# Altium PCB Roa_Circuit_3st_V1.PcbDoc (part 1 of 2)
Units mm, origin at the board's own origin, x right, y up, seen from the top; angles counter-clockwise.
Board outline 220 x 135 mm, 4 copper layers (Top Layer, Layer 1, Layer 2, Bottom Layer), stack 0.672 mm thick; 226 components, 136 nets, 765 pads, 0 vias.
Unrouted connection lines stored in the file: 513.
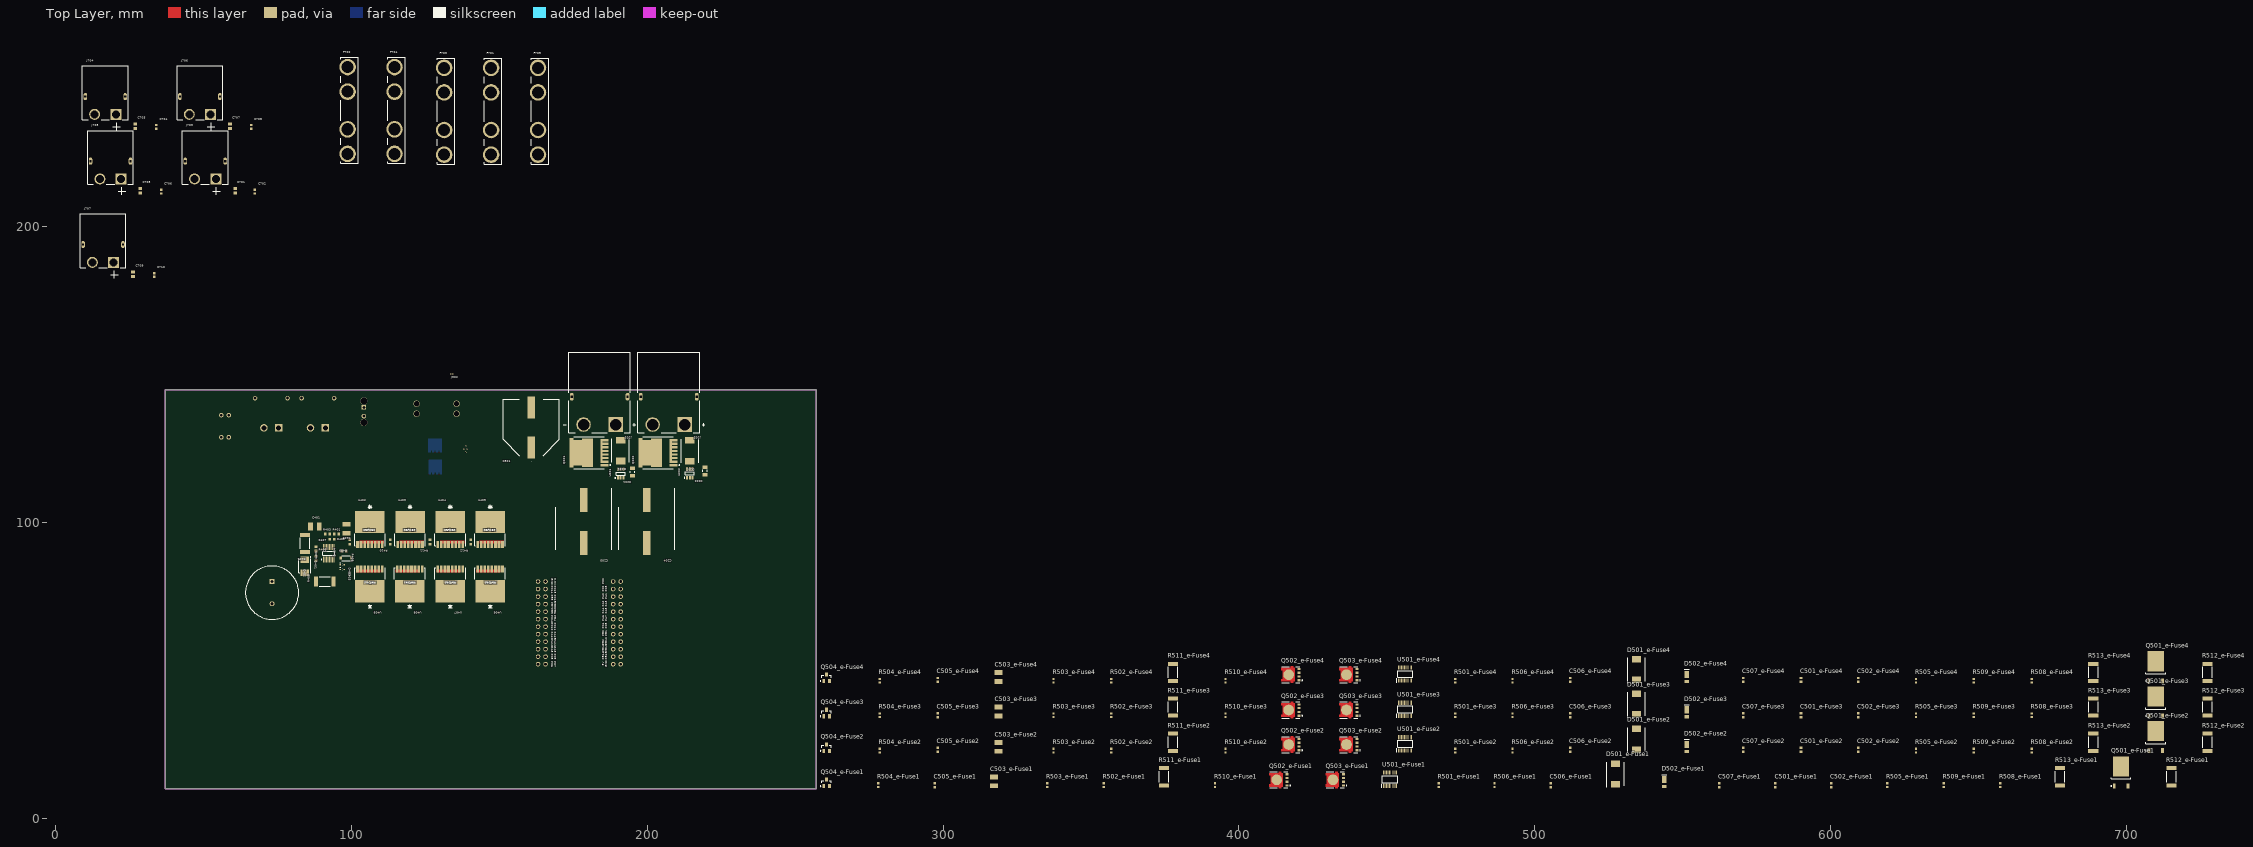
[diagram p0: Top Layer view]
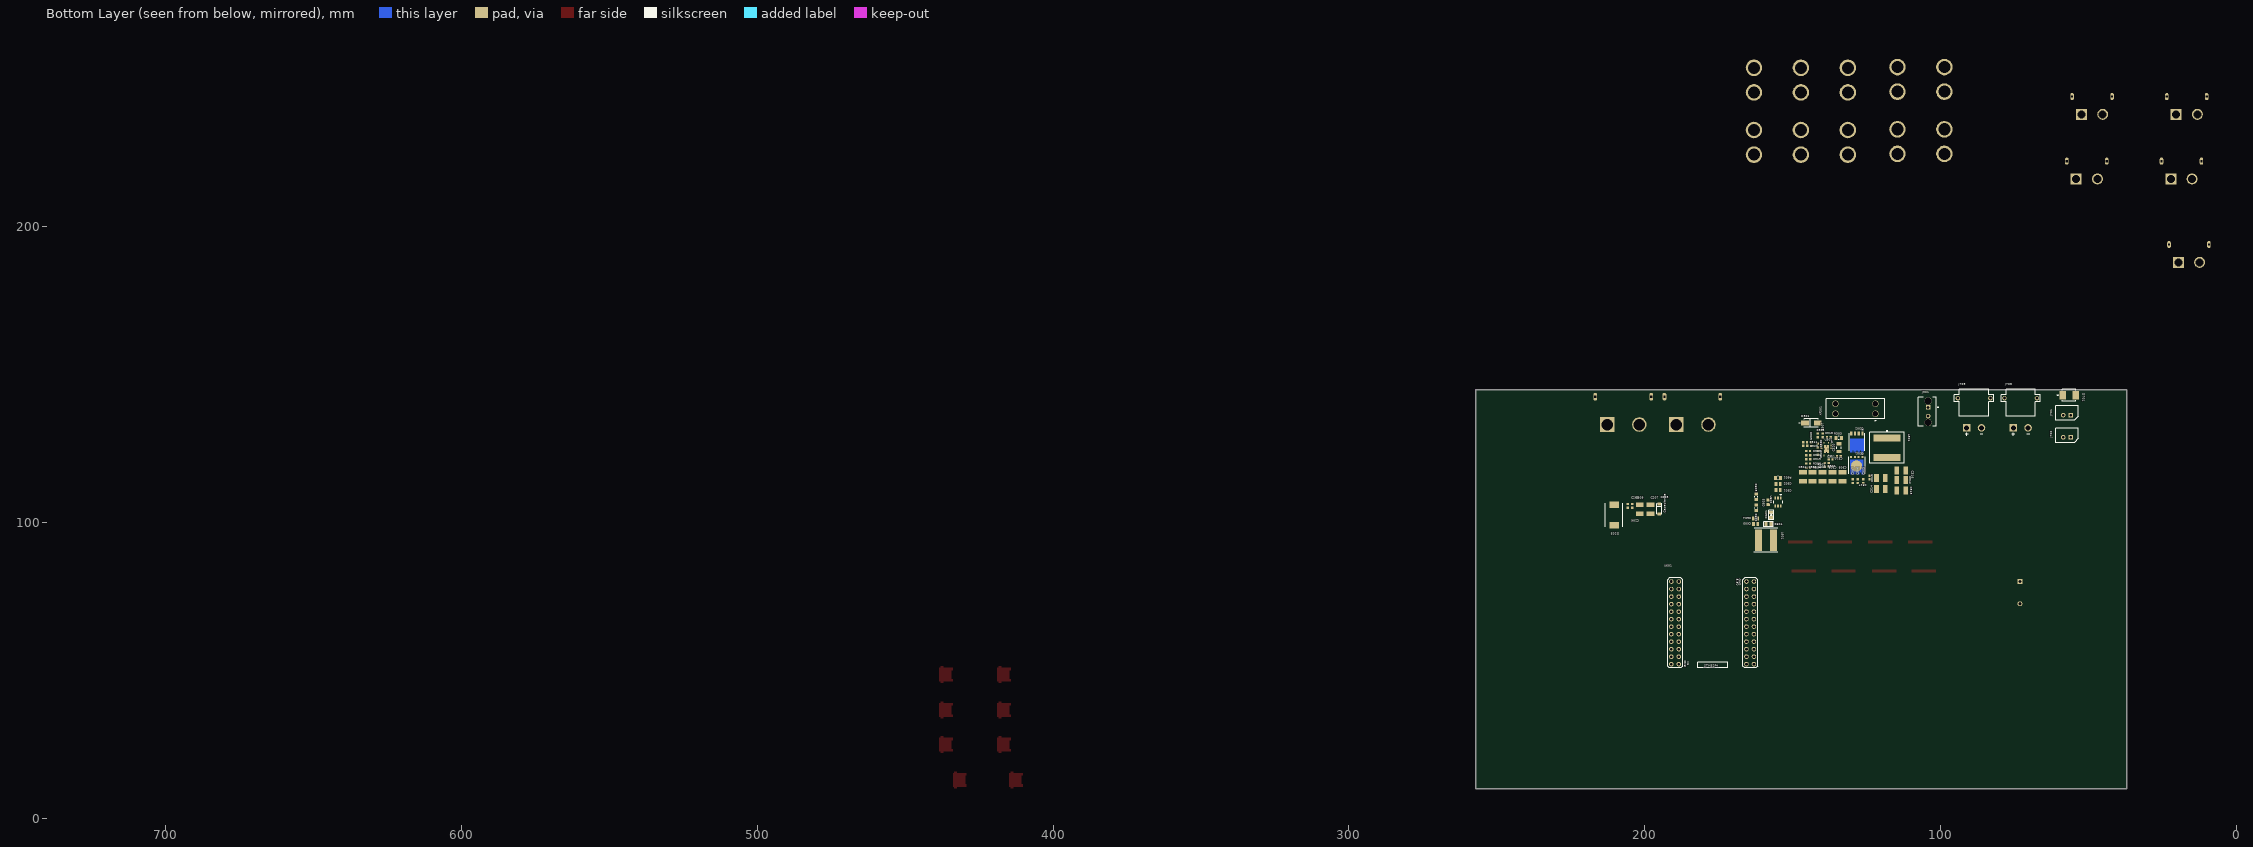
[diagram p1: Bottom Layer view, seen from below]

## Layer stack, top to bottom
Top Solder: solder mask 0.0102, Solder Resist, Dk 3.5
Top Layer: signal copper 0.07
Dielectric 2: prepreg 0.0711, PP-006, Dk 4.1
Layer 1: signal copper 0.035
Dielectric 1: dielectric 0.32, FR-4, Dk 4.8
Layer 2: signal copper 0.035
Dielectric 3: prepreg 0.0711, PP-006, Dk 4.1
Bottom Layer: signal copper 0.07
Bottom Solder: solder mask 0.0102, Solder Resist, Dk 3.5

## Board outline
37.084,9.906 37.084,144.906 257.084,144.906 257.084,9.906

## Design rules (kind name [scope] priority, off if disabled: settings)
Clearance "Stitching LEG_L" [IsStitchingVia and InNet('LEG_L') vs (IsVia and (Not IsStitchingVia)) Or IsPad] p1: gap=0.254 ignorepadtopadclearanceinfootprint=TRUE
Clearance "Stitching I_SENSE_N" [IsStitchingVia and InNet('I_SENSE_N') vs (IsVia and (Not IsStitchingVia)) Or IsPad] p2: gap=0.127 ignorepadtopadclearanceinfootprint=FALSE
Clearance "Stitching V_IN" [IsStitchingVia and InNet('V_IN') vs (IsVia and (Not IsStitchingVia)) Or IsPad] p3: gap=0.127 ignorepadtopadclearanceinfootprint=FALSE
Clearance Clearance_1 [InNet('I_SENSE_N') vs InNet('I_SENSE_P')] p4: gap=0.152 ignorepadtopadclearanceinfootprint=TRUE
Clearance [All] p5: gap=0.254 ignorepadtopadclearanceinfootprint=TRUE
DiffPairsRouting [All] p1: maxlimit=0.254 minlimit=0.152 mostfreqgap=0.178 toplayer_minwidth=0.203 toplayer_maxwidth=0.381 toplayer_prefwidth=0.254 midlayer1_minwidth=0.203 midlayer1_maxwidth=0.381 midlayer1_prefwidth=0.254 midlayer2_minwidth=0.203 midlayer2_maxwidth=0.381 midlayer2_prefwidth=0.254 bottomlayer_minwidth=0.203 bottomlayer_maxwidth=0.381 bottomlayer_prefwidth=0.254 maxuncoupledlength=12.7
Height [All] p1: minheight=0 maxheight=50.8 prefheight=12.7
HoleSize [All] p1: absolutevalues=TRUE maxlimit=12.7 minlimit=0.025 maxpercent=80.000 minpercent=20.000
PlaneConnect [All] p1: planeconnectstyle=Direct reliefexpansion=0.508 reliefentries=4 reliefconductorwidth=0.254 reliefairgap=0.254
PolygonConnect [All] p1: connectstyle=Direct reliefconductorwidth=0.254 reliefentries=4 polygonreliefangle="90 Angle" airgapwidth=0.254
RoutingVias [All] p1: holewidth=0.711 width=1.27 viastyle="Through Hole" minholewidth=0.711 minwidth=1.27 maxholewidth=0.711 maxwidth=1.27
SolderMaskExpansion [All] p1: expansion=0.102 istentingtop=FALSE
SupplyNets "Schematic Supply Nets_5" [InNet('3.3V')] p1: voltage=0.000
SupplyNets "Schematic Supply Nets_4" [InNet('5V')] p2: voltage=0.000
SupplyNets "Schematic Supply Nets_3" [InNet('OUT')] p3: voltage=0.000
SupplyNets "Schematic Supply Nets_2" [InNet('48V')] p4: voltage=0.000
SupplyNets "Schematic Supply Nets_1" [InNet('AGND')] p5: voltage=0.000
SupplyNets "Schematic Supply Nets" [InNet('GND')] p6: voltage=0.000
Width Width_1 [(InNet('5V') OR InNet('COIL_EN') OR InNet('GND') OR InNet('NetR3_1') OR InNet('I_SENSE_N') OR InNet('I_SENSE_P')or InNet('VCC'))] p1: maxlimit=2.032 minlimit=0.152 preferedwidth=1.27 midlayer1_minwidth=0.254 midlayer1_maxwidth=0.254 midlayer1_prefwidth=0.254 midlayer2_minwidth=0.254 midlayer2_maxwidth=0.254 midlayer2_prefwidth=0.254 bottomlayer_minwidth=0.254 minimp=50.000000 maximp=50.000000 favimp=50.000000
Width [All] p2: maxlimit=0.762 minlimit=0.152 preferedwidth=0.254 midlayer1_minwidth=0.254 midlayer1_maxwidth=0.254 midlayer2_minwidth=0.254 midlayer2_maxwidth=0.254 bottomlayer_minwidth=0.254 bottomlayer_maxwidth=0.254 minimp=50.000000 maximp=50.000000 favimp=50.000000
26 further rules are at their usual default settings.

## Classes and differential pairs
component class STM: C601 C602 C603 C604 C605 D601 L601 R601 R602 R603 R604 U601 U602
component class PROTECT: C401 C402 C403 D401 D402 D403 D404 R401 R402 R403 R404 R405 R406 R407 R408 R409 R410 R411 R412 U401 U402 U403 U404 U405 U406 U407 U408 U409
component class OUTPUT: C701 C702 C703 C704 C705 C706 C707 C708 C709 C710 D701 F701 F702 F703 F704 F705 J701 J702 J703 J704 J705 J706 J707 J708 J709
component class INPUT: C201 C202 C203 C204 C205 C206 C207 C208 C209 D201 D202 D203 J201 J202 Q201 Q202 U201 U202
component class "48v to 12V": C301 C302 C303 C304 C305 C306 C307 C308 C309 C310 C311 C312 C313 C314 C315 C316 C317 C318 C319 C320 C321 C322 C323 D301 J301 J302 L301 Q301 Q302 R301 R302 R303 R304 R305 R306 R307 R308 R309 R310 R311 U301 XF301
channel class e-Fuse: e-Fuse1 e-Fuse2 e-Fuse3 e-Fuse4
net class INP_G[1..4]: INP_G1 INP_G2 INP_G3 INP_G4
net class INP[1..4]: INP1 INP2 INP3 INP4
net class FLT_T[1..4]: FLT_T1 FLT_T2 FLT_T3 FLT_T4
net class FLT_I[1..4]: FLT_I1 FLT_I2 FLT_I3 FLT_I4
net class EFUSE_OUT[1..4]: EFUSE_OUT1
component class e-Fuse4: C501_e-Fuse4 C502_e-Fuse4 C503_e-Fuse4 C505_e-Fuse4 C506_e-Fuse4 C507_e-Fuse4 D501_e-Fuse4 D502_e-Fuse4 Q501_e-Fuse4 Q502_e-Fuse4 Q503_e-Fuse4 Q504_e-Fuse4 R501_e-Fuse4 R502_e-Fuse4 R503_e-Fuse4 R504_e-Fuse4 R505_e-Fuse4 R506_e-Fuse4 R508_e-Fuse4 R509_e-Fuse4 R510_e-Fuse4 R511_e-Fuse4 R512_e-Fuse4 R513_e-Fuse4 U501_e-Fuse4
component class e-Fuse3: C501_e-Fuse3 C502_e-Fuse3 C503_e-Fuse3 C505_e-Fuse3 C506_e-Fuse3 C507_e-Fuse3 D501_e-Fuse3 D502_e-Fuse3 Q501_e-Fuse3 Q502_e-Fuse3 Q503_e-Fuse3 Q504_e-Fuse3 R501_e-Fuse3 R502_e-Fuse3 R503_e-Fuse3 R504_e-Fuse3 R505_e-Fuse3 R506_e-Fuse3 R508_e-Fuse3 R509_e-Fuse3 R510_e-Fuse3 R511_e-Fuse3 R512_e-Fuse3 R513_e-Fuse3 U501_e-Fuse3
component class e-Fuse2: C501_e-Fuse2 C502_e-Fuse2 C503_e-Fuse2 C505_e-Fuse2 C506_e-Fuse2 C507_e-Fuse2 D501_e-Fuse2 D502_e-Fuse2 Q501_e-Fuse2 Q502_e-Fuse2 Q503_e-Fuse2 Q504_e-Fuse2 R501_e-Fuse2 R502_e-Fuse2 R503_e-Fuse2 R504_e-Fuse2 R505_e-Fuse2 R506_e-Fuse2 R508_e-Fuse2 R509_e-Fuse2 R510_e-Fuse2 R511_e-Fuse2 R512_e-Fuse2 R513_e-Fuse2 U501_e-Fuse2
component class e-Fuse1: C501_e-Fuse1 C502_e-Fuse1 C503_e-Fuse1 C505_e-Fuse1 C506_e-Fuse1 C507_e-Fuse1 D501_e-Fuse1 D502_e-Fuse1 Q501_e-Fuse1 Q502_e-Fuse1 Q503_e-Fuse1 Q504_e-Fuse1 R501_e-Fuse1 R502_e-Fuse1 R503_e-Fuse1 R504_e-Fuse1 R505_e-Fuse1 R506_e-Fuse1 R508_e-Fuse1 R509_e-Fuse1 R510_e-Fuse1 R511_e-Fuse1 R512_e-Fuse1 R513_e-Fuse1 U501_e-Fuse1

## Components (designator, comment, footprint, x,y, rotation, side; value= is the part's Value field where it differs from the comment)
C201 "non-polar_Capacitor" 1206 195.072,117.028 r270 top
C202 "non-polar_Capacitor" 1206 219.456,117.419 r270 top
C203 "Capacitor_tantal" SMD_Capacitor_tantal 195.072,104.544 r90 bottom
C204 "470µF" CAPAE1900X2200N 199.846,100.336 r270 top
C205 "470µF" CAPAE1900X2200N 178.51,100.336 r270 top
C206 "non-polar_Capacitor" 1210 201.684,104.445 r270 bottom
C207 "non-polar_Capacitor" 1210 198.12,104.469 r90 bottom
C208 "non-polar_Capacitor" 0603#1 205.74,105.595 r90 bottom
C209 "non-polar_Capacitor" 0603#1 204.216,105.595 r90 bottom
C301 "220µF" EEEFK0J103SM 160.782,132.08 r90 top
C302 "non-polar_Capacitor" 1210 143.248,115.424 r270 bottom
C303 "non-polar_Capacitor" 0603#1 126.067,113.961 r270 bottom
C304 "non-polar_Capacitor" 1210 146.55,115.424 r270 bottom
C305 "non-polar_Capacitor" 1210 133.106,115.424 r270 bottom
C306 "non-polar_Capacitor" 0603#1 127.972,113.962 r270 bottom
C307 "non-polar_Capacitor" 0603#1 129.75,113.962 r270 bottom
C308 "non-polar_Capacitor" 1210 136.456,115.424 r270 bottom
C309 "non-polar_Capacitor" 1210 139.954,115.424 r270 bottom
C310 "non-polar_Capacitor" 0603#1 137.19,121.426 r180 bottom
C311 "non-polar_Capacitor" 0603#1 134.351,122.316 r180 bottom
C312 "non-polar_Capacitor" 1210 113.284,114.3 r180 bottom
C313 "non-polar_Capacitor" 1210 113.284,110.744 r180 bottom
C314 "non-polar_Capacitor" 1210 120.142,111.252 r0 bottom
C315 "non-polar_Capacitor" 1210 120.142,114.938 r0 bottom
C316 "non-polar_Capacitor" 1210 113.284,117.602 r180 bottom
C317 "non-polar_Capacitor" 0603#1 123.952,115.184 r270 bottom
C318 "non-polar_Capacitor" 0603#1 137.74,128.763 r180 bottom
C319 "non-polar_Capacitor" 0603#1 144.741,121.313 r0 bottom
C320 "non-polar_Capacitor" 1206 134.3,125.253 r270 bottom
C321 "non-polar_Capacitor" 0603#1 144.741,122.758 r0 bottom
C322 "non-polar_Capacitor" 0603#1 141.512,123.49 r270 bottom
C323 "non-polar_Capacitor" 0603#1 145.761,125.865 r0 bottom
C401 "non-polar_Capacitor" 1210 87.63,98.552 r0 top
C402 "B41858C9477M000" CAPPRD750W90D1800H3700 73.152,80.01 r270 top
C403 "non-polar_Capacitor" 1210 98.388,97.834 r270 top
C501_e-Fuse1 "CIN" 0603#1 581.406,11.176 r90 top (schematic designator C501)
C501_e-Fuse2 "CIN" 0603#1 590.042,23.114 r90 top (schematic designator C501)
C501_e-Fuse3 "CIN" 0603#1 590.042,34.798 r90 top (schematic designator C501)
C501_e-Fuse4 "CIN" 0603#1 590.042,46.736 r90 top (schematic designator C501)
C502_e-Fuse1 "CIN" 0603#1 600.202,11.176 r90 top (schematic designator C502)
C502_e-Fuse2 "CIN" 0603#1 609.346,23.114 r90 top (schematic designator C502)
C502_e-Fuse3 "CIN" 0603#1 609.346,34.798 r90 top (schematic designator C502)
C502_e-Fuse4 "CIN" 0603#1 609.346,46.736 r90 top (schematic designator C502)
C503_e-Fuse1 "C(TMR)" 1210 317.246,12.446 r90 top (schematic designator C503)
C503_e-Fuse2 "C(TMR)" 1210 318.77,24.13 r90 top (schematic designator C503)
C503_e-Fuse3 "C(TMR)" 1210 318.77,36.068 r90 top (schematic designator C503)
C503_e-Fuse4 "C(TMR)" 1210 318.77,47.752 r90 top (schematic designator C503)
C505_e-Fuse1 "CBST" 0603#1 297.18,11.176 r90 top (schematic designator C505)
C505_e-Fuse2 "CBST" 0603#1 298.196,23.114 r90 top (schematic designator C505)
C505_e-Fuse3 "CBST" 0603#1 298.196,34.798 r90 top (schematic designator C505)
C505_e-Fuse4 "CBST" 0603#1 298.196,46.736 r90 top (schematic designator C505)
C506_e-Fuse1 "C(SCP)" 0603#1 505.46,11.176 r90 top (schematic designator C506)
C506_e-Fuse2 "C(SCP)" 0603#1 512.064,23.114 r90 top (schematic designator C506)
C506_e-Fuse3 "C(SCP)" 0603#1 512.064,34.798 r90 top (schematic designator C506)
C506_e-Fuse4 "C(SCP)" 0603#1 512.064,46.736 r90 top (schematic designator C506)
C507_e-Fuse1 "C(TMR)" 0603#1 562.356,11.176 r90 top (schematic designator C507)
C507_e-Fuse2 "C(TMR)" 0603#1 570.484,23.114 r90 top (schematic designator C507)
C507_e-Fuse3 "C(TMR)" 0603#1 570.484,34.798 r90 top (schematic designator C507)
C507_e-Fuse4 "C(TMR)" 0603#1 570.484,46.736 r90 top (schematic designator C507)
C601 "non-polar_Capacitor" 0805#1 154.928,110.99 r0 bottom
C602 "non-polar_Capacitor" 0805#1 154.928,113.022 r0 bottom
C603 "non-polar_Capacitor" 0805#1 158.242,106.797 r270 bottom
C604 "non-polar_Capacitor" 0805#1 162.538,101.338 r180 bottom
C605 "non-polar_Capacitor" 0805#1 162.538,99.433 r180 bottom
C701 "non-polar_Capacitor" 0805#1 60.706,212.09 r90 top
C702 "non-polar_Capacitor" 0603#1 67.31,211.836 r90 top
C703 "non-polar_Capacitor" 0805#1 26.924,233.934 r90 top
C704 "non-polar_Capacitor" 0603#1 34.036,233.68 r90 top
C705 "non-polar_Capacitor" 0805#1 28.575,212.09 r90 top
C706 "non-polar_Capacitor" 0603#1 35.687,211.836 r90 top
C707 "non-polar_Capacitor" 0805#1 58.928,233.934 r90 top
C708 "non-polar_Capacitor" 0603#1 66.04,233.68 r90 top
C709 "non-polar_Capacitor" 0805#1 26.162,183.896 r90 top
C710 "non-polar_Capacitor" 0603#1 33.274,183.642 r90 top
D201 "SMDJ58A" DIONM7959X262N 191.008,124.262 r270 top
D202 "SMDJ58A" DIONM7959X262N 214.376,124.206 r270 top
D203 "SMDJ58A" DIONM7959X262N 210.312,102.545 r270 bottom
D301 "SS14" FP-403AE-MFG 143.647,133.604 r0 bottom
D401 "1SMB5945BT3G" ONSC-SMB-2-403A-03_H_V 84.22,85.218 r270 top
D402 "MM5Z15VT1G" ONSC-SOD-523-2-502-01_V 96.874,85.693 r0 top
D403 "MM5Z15VT1G" ONSC-SOD-523-2-502-01_V 96.874,84.118 r0 top
D404 "SMD110PL-TP" SODFL3616X135N 98.134,87.928 r180 top
D501_e-Fuse1 "SMLJ58AQ-TP" DIOM7959X282N 527.304,14.986 r90 top (schematic designator D501)
D501_e-Fuse2 "SMLJ58AQ-TP" DIOM7959X282N 534.416,26.67 r90 top (schematic designator D501)
D501_e-Fuse3 "SMLJ58AQ-TP" DIOM7959X282N 534.416,38.608 r90 top (schematic designator D501)
D501_e-Fuse4 "SMLJ58AQ-TP" DIOM7959X282N 534.416,50.292 r90 top (schematic designator D501)
D502_e-Fuse1 "DFLS1100-7" DIOD-POWERDI123-2_V 543.814,12.192 r90 top (schematic designator D502)
D502_e-Fuse2 "DFLS1100-7" DIOD-POWERDI123-2_V 551.434,24.13 r90 top (schematic designator D502)
D502_e-Fuse3 "DFLS1100-7" DIOD-POWERDI123-2_V 551.434,35.814 r90 top (schematic designator D502)
D502_e-Fuse4 "DFLS1100-7" DIOD-POWERDI123-2_V 551.434,47.752 r90 top (schematic designator D502)
D601 "LED" SMD_LED 157.204,102.492 r270 bottom
D701 "cc" FP-403A-03-MFG 56.522,143.002 r180 bottom
F701 "3555-2" FUSE_3555-2 147.193,239.014 r90 top
F702 "3555-2" FUSE_3555-2 98.679,239.268 r90 top
F703 "3555-2" FUSE_3555-2 131.318,239.014 r90 top
F704 "3555-2" FUSE_3555-2 114.554,239.268 r90 top
F705 "3555-2" FUSE_3555-2 163.068,239.014 r90 top
J201 "XT90PW-M" AMASS_XT90PW-M 183.896,142.494 r180 top
J202 "XT90PW-M" AMASS_XT90PW-M 207.264,142.494 r180 top
J301 "Micro-Fit-molex_43650-0220" FP-43650-0220-MFG 104.516,137.414 r90 bottom
J302 "2way" 2way_LP 133.858,150.114 r0 top net-tie
J701 "Molex_2Pin" MOLEX_2PIN 58.515,136.271 r0 bottom
J702 "Molex_2Pin" MOLEX_2PIN 58.515,128.778 r0 bottom
J703 "XT60PW-M" XT60PW-M 50.546,222.123 r0 top
J704 "XT60PW-M" XT60PW-M 16.764,243.967 r0 top
J705 "XT60PW-M" XT60PW-M 18.542,222.123 r0 top
J706 "XT60PW-M" XT60PW-M 48.768,243.967 r0 top
J707 "XT60PW-M" XT60PW-M 16.002,193.929 r0 top
J708 "XT30PW-M" AMASS_XT30PW-M 72.898,141.986 r180 bottom
J709 "XT30PW-M" AMASS_XT30PW-M 88.646,141.986 r180 bottom
L301 "XAL1010" FP-XAL1010-MFG 118.11,125.222 r270 bottom
L601 "inductor_SRP7030CA" FP-SRP7030CA-MFG 159.004,93.972 r270 bottom
Q201 "Trans_Infineon_IPT015N10N5_eec" Infineon_IPT015N10N5_0 180.278,123.562 r90 top
Q202 "Trans_Infineon_IPT015N10N5_eec" Infineon_IPT015N10N5_0 203.646,123.562 r90 top
Q301 "CSD19534Q5A" FP-DQJ0008A-MFG 128.315,119.38 r270 bottom
Q302 "CSD19532Q5B" FP-DNK0008A-MFG 128.27,127.22 r270 bottom
Q501_e-Fuse1 "IPD068N10N3 G" INF-PG-TO252-3-11_A_L 698.246,15.494 r90 top (schematic designator Q501)
Q501_e-Fuse2 "IPD068N10N3 G" INF-PG-TO252-3-11_A_L 709.93,27.432 r90 top (schematic designator Q501)
Q501_e-Fuse3 "IPD068N10N3 G" INF-PG-TO252-3-11_A_L 709.93,39.116 r90 top (schematic designator Q501)
Q501_e-Fuse4 "IPD068N10N3 G" INF-PG-TO252-3-11_A_L 709.93,51.054 r90 top (schematic designator Q501)
Q502_e-Fuse1 "NVMFS015N10MCLT1G" FP-488AA-MFG 413.512,12.954 r90 top (schematic designator Q502)
Q502_e-Fuse2 "NVMFS015N10MCLT1G" FP-488AA-MFG 417.576,24.892 r90 top (schematic designator Q502)
Q502_e-Fuse3 "NVMFS015N10MCLT1G" FP-488AA-MFG 417.576,36.576 r90 top (schematic designator Q502)
Q502_e-Fuse4 "NVMFS015N10MCLT1G" FP-488AA-MFG 417.576,48.514 r90 top (schematic designator Q502)
Q503_e-Fuse1 "NVMFS015N10MCLT1G" FP-488AA-MFG 432.562,12.954 r90 top (schematic designator Q503)
Q503_e-Fuse2 "NVMFS015N10MCLT1G" FP-488AA-MFG 437.134,24.892 r90 top (schematic designator Q503)
Q503_e-Fuse3 "NVMFS015N10MCLT1G" FP-488AA-MFG 437.134,36.576 r90 top (schematic designator Q503)
Q503_e-Fuse4 "NVMFS015N10MCLT1G" FP-488AA-MFG 437.134,48.514 r90 top (schematic designator Q503)
Q504_e-Fuse1 "MMBT3904" FAIR-SOT23-3_V 260.604,11.938 r90 top (schematic designator Q504)
Q504_e-Fuse2 "MMBT3904" FAIR-SOT23-3_V 260.604,23.876 r90 top (schematic designator Q504)
Q504_e-Fuse3 "MMBT3904" FAIR-SOT23-3_V 260.604,35.56 r90 top (schematic designator Q504)
Q504_e-Fuse4 "MMBT3904" FAIR-SOT23-3_V 260.604,47.498 r90 top (schematic designator Q504)
R301 "Resistor" 0603#2 137.84,119.452 r270 bottom
R302 "Resistor" 0603#2 139.14,119.452 r270 bottom
R303 "Resistor" 0805#2 134.4,128.538 r0 bottom
R304 "Resistor" 0603#2 144.741,118.458 r0 bottom
R305 "Resistor" 0603#2 141.512,129.388 r270 bottom
R306 "Resistor" 0603#2 144.741,119.903 r0 bottom
R307 "Resistor" 0603#2 139.861,129.388 r90 bottom
R308 "Resistor" 0603#2 144.741,124.152 r180 bottom
R309 "Resistor" 0603#2 143.714,126.49 r270 bottom
R310 "Resistor" 0603#2 141.512,125.998 r90 bottom
R311 "Resistor" 0603#2 145.761,127.115 r180 bottom
R401 "464kΩ" SMD_0603 94.902,96.056 r180 top
R402 "6.65kΩ" SMD_0603 93.402,94.278 r180 top
R403 "10kΩ" SMD_0603 91.902,96.056 r180 top
R404 "2.2kΩ" SMD_2512 84.22,92.893 r270 top
R405 "0.5mΩ" SMD_2512 90.932,80.01 r180 top
R406 "442kΩ" SMD_0603 87.974,87.782 r90 top
R407 "10kΩ" SMD_0603 87.974,91.076 r90 top
R408 "470Ω" SMD_0603 97.534,90.315 r0 top
R409 "10Ω" SMD_0603 99.404,93.339 r270 top
R410 "10Ω" SMD_0603 113.12,93.339 r270 top
R411 "10Ω" SMD_0603 126.582,93.338 r270 top
R412 "10Ω" SMD_0603 140.298,93.339 r270 top
R501_e-Fuse1 "R1" 0603#2 467.614,11.176 r90 top (schematic designator R501)
R501_e-Fuse2 "R1" 0603#2 473.202,22.86 r90 top (schematic designator R501)
R501_e-Fuse3 "R1" 0603#2 473.202,34.798 r90 top (schematic designator R501)
R501_e-Fuse4 "R1" 0603#2 473.202,46.482 r90 top (schematic designator R501)
R502_e-Fuse1 "R2" 0603#2 354.33,11.176 r90 top (schematic designator R502)
R502_e-Fuse2 "R2" 0603#2 356.87,22.86 r90 top (schematic designator R502)
R502_e-Fuse3 "R2" 0603#2 356.87,34.798 r90 top (schematic designator R502)
R502_e-Fuse4 "R2" 0603#2 356.87,46.482 r90 top (schematic designator R502)
R503_e-Fuse1 "R(IMON)" 0603#2 335.28,11.176 r90 top (schematic designator R503)
R503_e-Fuse2 "R(IMON)" 0603#2 337.312,22.86 r90 top (schematic designator R503)
R503_e-Fuse3 "R(IMON)" 0603#2 337.312,34.798 r90 top (schematic designator R503)
R503_e-Fuse4 "R(IMON)" 0603#2 337.312,46.482 r90 top (schematic designator R503)
R504_e-Fuse1 "R(IWRN)" 0603#2 278.13,11.176 r90 top (schematic designator R504)
R504_e-Fuse2 "R(IWRN)" 0603#2 278.638,22.86 r90 top (schematic designator R504)
R504_e-Fuse3 "R(IWRN)" 0603#2 278.638,34.798 r90 top (schematic designator R504)
R504_e-Fuse4 "R(IWRN)" 0603#2 278.638,46.482 r90 top (schematic designator R504)
R505_e-Fuse1 "R1" 0603#2 619.252,11.176 r90 top (schematic designator R505)
R505_e-Fuse2 "R1" 0603#2 628.904,22.86 r90 top (schematic designator R505)
R505_e-Fuse3 "R1" 0603#2 628.904,34.798 r90 top (schematic designator R505)
R505_e-Fuse4 "R1" 0603#2 628.904,46.482 r90 top (schematic designator R505)
R506_e-Fuse1 "R1" 0603#2 486.41,11.176 r90 top (schematic designator R506)
R506_e-Fuse2 "R1" 0603#2 492.506,22.86 r90 top (schematic designator R506)
R506_e-Fuse3 "R1" 0603#2 492.506,34.798 r90 top (schematic designator R506)
R506_e-Fuse4 "R1" 0603#2 492.506,46.482 r90 top (schematic designator R506)
R508_e-Fuse1 "R(ISCP)" 0603#2 657.352,11.176 r90 top (schematic designator R508)
R508_e-Fuse2 "R(ISCP)" 0603#2 668.02,22.86 r90 top (schematic designator R508)
R508_e-Fuse3 "R(ISCP)" 0603#2 668.02,34.798 r90 top (schematic designator R508)
R508_e-Fuse4 "R(ISCP)" 0603#2 668.02,46.482 r90 top (schematic designator R508)
R509_e-Fuse1 "R(ISCP)" 0603#2 638.302,11.176 r90 top (schematic designator R509)
R509_e-Fuse2 "R(ISCP)" 0603#2 648.462,22.86 r90 top (schematic designator R509)
R509_e-Fuse3 "R(ISCP)" 0603#2 648.462,34.798 r90 top (schematic designator R509)
R509_e-Fuse4 "R(ISCP)" 0603#2 648.462,46.482 r90 top (schematic designator R509)
R510_e-Fuse1 "R(SET)" 0603#2 391.922,11.176 r90 top (schematic designator R510)
R510_e-Fuse2 "R(SET)" 0603#2 395.478,22.86 r90 top (schematic designator R510)
R510_e-Fuse3 "R(SET)" 0603#2 395.478,34.798 r90 top (schematic designator R510)
R510_e-Fuse4 "R(SET)" 0603#2 395.478,46.482 r90 top (schematic designator R510)
R511_e-Fuse1 "1.25mΩ" SMD_2512 374.65,13.97 r90 top (schematic designator R511)
R511_e-Fuse2 "1.25mΩ" SMD_2512 377.698,25.654 r90 top (schematic designator R511)
R511_e-Fuse3 "1.25mΩ" SMD_2512 377.698,37.592 r90 top (schematic designator R511)
R511_e-Fuse4 "1.25mΩ" SMD_2512 377.698,49.276 r90 top (schematic designator R511)
R512_e-Fuse1 "220Ω" SMD_2512 715.264,13.97 r90 top (schematic designator R512)
R512_e-Fuse2 "220Ω" SMD_2512 727.456,25.654 r90 top (schematic designator R512)
R512_e-Fuse3 "220Ω" SMD_2512 727.456,37.592 r90 top (schematic designator R512)
R512_e-Fuse4 "220Ω" SMD_2512 727.456,49.276 r90 top (schematic designator R512)
R513_e-Fuse1 "220Ω" SMD_2512 677.672,13.97 r90 top (schematic designator R513)
R513_e-Fuse2 "220Ω" SMD_2512 688.848,25.654 r90 top (schematic designator R513)
R513_e-Fuse3 "220Ω" SMD_2512 688.848,37.592 r90 top (schematic designator R513)
R513_e-Fuse4 "220Ω" SMD_2512 688.848,49.276 r90 top (schematic designator R513)
R601 "Resistor" 0805#2 154.928,115.054 r180 bottom
R602 "Resistor" 0805#2 162.298,104.917 r270 bottom
R603 "Resistor" 0805#2 162.298,108.66 r270 bottom
R604 "Resistor" SMD_Resistor 158.104,99.433 r180 bottom
U201 "FET_LM5050MK-1/NOPB" DDC0006A_M 191.008,116.528 r90 top
U202 "FET_LM5050MK-1/NOPB" DDC0006A_M 214.376,116.586 r90 top
U301 "LM5146QRGYTQ1" RGY0020B 138.59,124.798 r0 bottom
U401 "LTC4364IMS-2#PBF" LT-MS-16_M 92.328,89.565 r90 top
U402 "IPT015N10N5ATMA1" PG-HSOF-8-1_INF 106.233,97.58 r0 top
U403 "IPT015N10N5ATMA1" PG-HSOF-8-1_INF 119.822,97.58 r0 top
U404 "IPT015N10N5ATMA1" PG-HSOF-8-1_INF 133.411,97.58 r0 top
U405 "IPT015N10N5ATMA1" PG-HSOF-8-1_INF 146.873,97.58 r0 top
U406 "IPT015N10N5ATMA1" PG-HSOF-8-1_INF 146.873,79.292 r180 top
U407 "IPT015N10N5ATMA1" PG-HSOF-8-1_INF 133.411,79.292 r180 top
U408 "IPT015N10N5ATMA1" PG-HSOF-8-1_INF 119.695,79.292 r180 top
U409 "IPT015N10N5ATMA1" PG-HSOF-8-1_INF 106.233,79.292 r180 top
U501_e-Fuse1 "TPS48111-Q1" SOP50P490X110-20N 451.104,13.208 r90 top (schematic designator U501)
U501_e-Fuse2 "TPS48111-Q1" SOP50P490X110-20N 456.184,25.146 r90 top (schematic designator U501)
U501_e-Fuse3 "TPS48111-Q1" SOP50P490X110-20N 456.184,36.83 r90 top (schematic designator U501)
U501_e-Fuse4 "TPS48111-Q1" SOP50P490X110-20N 456.184,48.768 r90 top (schematic designator U501)
U601 "STM32_MODULE" DIP_STM32_MODULE 177.038,66.04 r180 bottom
U602 "TPS563200DDCR" FP-DDC0006A-MFG 154.94,106.934 r270 bottom
XF301 "3557-2" KSTN-3557-2 128.778,138.43 r0 bottom

## Footprints (in the part's own frame and the unit in brackets; to place one, negate y for a bottom-side part, rotate by r counter-clockwise, add the part's x,y. Pads: shape width x height; smd on the part's side, far side on the other; paste and mask are expansions set on the pad)
2way_LP [mil] "2 way low power net tie junction"
  rrect5% 20x12 smd paste-100: 1(-14,0) 2(14,0)
0603#1 [mm]
  rect 0.8x0.85 smd: 1(-0.65,0) 2(0.65,0)
  body extent -0.85,-0.45 0.85,0.45, height 1
0603#2 [mm]
  rect 0.75x0.8 smd: 1(-0.625,0) 2(0.625,0)
  body extent -0.85,-0.45 0.85,0.45, height 0.55
0805#1 [mm] "Chip Capacitor, 2-Leads, Body 2.00x1.25mm, IPC High Density"
  rect 1x1.3 smd: 1(-0.75,0) 2(0.75,0)
  body extent -1.05,-0.67 1.05,0.68, height 1.35
0805#2 [mm] "SMD_Resistor"
  rect 1x1.35 smd: 1(-0.9,0) 2(0.9,0)
  silkscreen extent -0.1,-0.58 0.1,0.58, body extent -1.05,-0.67 1.05,0.67, height 0.55
1206 [mm]
  rect 1.15x1.7 smd: 1(-1.275,0) 2(1.275,0)
  silkscreen extent -0.3,-0.75 0.3,0.75, body extent -1.7,-0.9 1.7,0.9, height 1.8
1210 [mm]
  rect 1.6x2.7 smd: 1(-1.5,0) 2(1.5,0)
  body extent -1.75,-1.4 1.75,1.4, height 2.8
AMASS_XT30PW-M [mm]
  round 2.55 hole 1.7: N(2.5,-10)
  rect 2.55x2.55 / inner round 2.55 / far side rect 2.55x2.55 hole 1.7: P(-2.5,-10)
  round 1.508 hole 1: S1(5.5,0) S2(-5.5,0)
  silkscreen extent -6.65,-12.75 6.65,2.95, body extent -6.65,-11 6.65,2.95, height 5
AMASS_XT90PW-M [mm]
  round 4.916 hole 3.9: N(5.45,9.4)
  rect 4.916x4.916 / inner round 4.916 / far side rect 4.916x4.916 hole 3.9: P(-5.45,9.4)
  oval 1.3x2.6 hole 0.6 square: S1(-9.45,0) S2(9.45,0)
  silkscreen extent -12.25,-15 12.25,12.1, body extent -10.6,-15 10.6,12.1, height 10.3
CAPAE1900X2200N [mm]
  rect 8.05x2.45 smd: 1(-7.25,0) 2(7.25,0)
  silkscreen extent -11.27,-9.5 9.5,9.5, body extent -10.5,-9.5 10.5,9.5, height 22
CAPPRD750W90D1800H3700 [mm]
  rect 1.65x1.65 hole 1.1: 1(0,0)
  round 1.65 hole 1.1: 2(7.5,0)
  silkscreen extent -5.25,-9 12.75,9, body extent -4.35,-8.1 11.85,8.1, height 35.86
DDC0006A_M [mm] "SOT23, 6-Leads, Body 3.05x1.75mm, Pitch 0.95mm, IPC Low Density"
  rrect15% 1.2x0.65 smd: 1(-1.475,0.95) 2(-1.475,0) 3(-1.475,-0.95) 4(1.475,-0.95) 5(1.475,0) 6(1.475,0.95)
  silkscreen extent -1.6,-1.55 0.5,1.95, body extent -1.43,-1.48 1.43,1.49, height 0.9
DIOD-POWERDI123-2_V [mm] "SOD, 2-Leads, Body 2.8x1.78mm"
  rect 1.05x1.5 smd: 1(-1.525,0)
  rect 2.4x1.5 smd: 2(0.85,0)
  silkscreen extent 2.55,-0.89 2.55,0.89, body extent -1.4,-0.89 1.4,0.89, height 1.01
DIOM7959X282N [mm]
  rect 2.2x3.15 smd: 1(-3.5,0) 2(3.5,0)
  silkscreen extent -4.6,-2.95 3.97,2.95, body extent -4,-3.05 4,3.05, height 2.5
DIONM7959X262N [mm]
  rect 2.2x3.15 smd: 1(-3.5,0) 2(3.5,0)
  silkscreen extent -3.97,-2.95 3.97,2.95, body extent -3.97,-2.95 3.97,2.95, height 2.62
DIP_STM32_MODULE [mil]
  round 60 hole 35: 1(-550,550) 2(-550,450) 3(-550,350) 4(-550,250) 5(-550,150) 6(-550,50) 7(-550,-50) 8(-550,-150) 9(-550,-250) 10(-550,-350) 11(-550,-450) 12(-550,-550) 13(-450,-550) 14(-450,-450) 15(-450,-350) 16(-450,-250) 17(-450,-150) 18(-450,-50) 19(-450,50) 20(-450,150) 21(-450,250) 22(-450,350) 23(-450,450) 24(-450,550) 25(450,550) 26(450,450) 27(450,350) 28(450,250) 29(450,150) 30(450,50) 31(450,-50) 32(450,-150) 33(450,-250) 34(450,-350) 35(450,-450) 36(450,-550) 37(550,-550) 38(550,-450) 39(550,-350) 40(550,-250) 41(550,-150) 42(550,-50) 43(550,50) 44(550,150) 45(550,250) 46(550,350) 47(550,450) 48(550,550)
  silkscreen extent -600,-600 600,600, body extent -649,-650 650,649, height 685
EEEFK0J103SM [mm]
  rect 7.5x2.5 smd: 1(-6.75,0) 2(6.75,0)
  silkscreen extent -11.63,-9.5 9.5,9.5, body extent -10.2,-9.5 10.2,9.5, height 16.5
FAIR-SOT23-3_V [mm] "SOT23, 3-Leads, Body 3.12x1.5mm, Pitch 0.95mm"
  rect 1.4x1 smd: 1(-1.1,0.95) 2(-1.1,-0.95) 3(1.1,0)
  silkscreen extent -1.22,-1.55 0.75,2.12, body extent -1.35,-1.56 1.35,1.56, height 1.2
FP-403A-03-MFG [mm]
  rect 2.159x2.743 smd paste+0 mask+0: 1(-2.21,0) 2(2.21,0)
  silkscreen extent -4,-1.97 2.3,1.97, body extent -2.72,-1.78 2.72,1.78, height 2.47
FP-403AE-MFG [mm]
  rect 2.65x1.75 smd paste+0 mask+0: 1(-2.15,0) 2(2.15,0)
  silkscreen extent -2.37,-1.48 4.18,1.48, body extent -2.6,-1.36 2.6,1.36, height 2.5
FP-488AA-MFG [mm]
  rect 0.75x1 smd paste+0 mask+0: 1(-1.905,-2.748) 2(-0.635,-2.748) 3(0.635,-2.748) 4(1.905,-2.748)
  round 3.631 smd paste+0 mask+0: 5-6(0.021,0.735)
  Top Layer region: -2.28,-1.282 -2.28,-0.857 -2.775,-0.857 -2.775,0.048 -2.28,0.048 -2.28,3.247 -1.53,3.247 -1.53,2.772 1.53,2.772 1.53,3.247 2.28,3.247 2.28,0.048 2.775,0.048 2.775,-0.857 2.28,-0.857 2.28,-1.282
  silkscreen extent -2.73,-3.95 2.73,3.05, body extent -2.88,-3.35 2.88,3.35, height 0.25
FP-43650-0220-MFG [mm]
  rect 1.57x1.57 hole 1.02 paste-2539.97 mask+0: 1(1.5,-0.315)
  round 1.57 hole 1.02 paste-2539.97 mask+0: 2(-1.5,-0.315)
  round 2.43 hole 2.41 paste-2539.97 mask+0: 3(-3.65,-0.315) 4(3.65,-0.315)
  silkscreen extent -4.95,-3.74 4.95,3.04, body extent -4.82,-2.79 4.82,2.79, height 10.15
FP-DDC0006A-MFG [mm]
  rrect17% 1.1x0.6 smd paste+0 mask+0: 1(-1.35,0.95) 2(-1.35,0) 3(-1.35,-0.95) 4(1.35,-0.95) 5(1.35,0) 6(1.35,0.95)
  silkscreen extent -2.57,-1.53 0.42,1.53, body extent -1.4,-1.45 1.4,1.45, height 1.1
FP-DNK0008A-MFG [mm]
  rect 1.372x0.71 smd paste-1000 mask+0: 1(-2.77,1.905) 2(-2.77,0.635) 3(-2.77,-0.635) 4(-2.77,-1.905)
  round 0.025 smd paste-2.22: 5-6-7-8(1.236,0)
  Top Layer region: -0.984,-2.26 3.456,-2.26 3.456,-1.55 2.866,-1.55 2.866,-0.99 3.456,-0.99 3.456,-0.28 2.866,-0.28 2.866,0.28 3.456,0.28 3.456,0.99 2.866,0.99 2.866,1.55 3.456,1.55 3.456,2.26 -0.984,2.26
  silkscreen extent -4.22,-2.65 2.95,2.65, body extent -3,-2.5 3,2.5, height 1.05
FP-DQJ0008A-MFG [mm]
  rect 0.75x0.675 smd paste-1000 mask+0: 1(-2.752,1.905) 2(-2.752,0.635) 3(-2.752,-0.635) 4(-2.752,-1.905)
  round 3.821 smd paste-1000 mask+0: 5-6-7-8(0.35,-0.07)
  Top Layer region: -1.823,2.242 3.127,2.242 3.127,1.568 2.472,1.568 2.472,0.972 3.127,0.972 3.127,0.298 2.472,0.298 2.472,-0.298 3.127,-0.298 3.127,-0.972 2.472,-0.972 2.472,-1.568 3.127,-1.568 3.127,-2.242 -1.823,-2.242 -1.823,2.242
  silkscreen extent -3.85,-2.78 2.9,2.82, body extent -3,-2.7 3,2.7, height 1.07
FP-SRP7030CA-MFG [mm]
  rect 7.2x2.3 smd paste+0 mask+0: 1(0,2.55) 2(0,-2.55)
  silkscreen extent -4.03,-3.9 4.03,3.9, body extent -3.9,-3.8 3.9,3.8, height 3.1
FP-XAL1010-MFG [mm]
  rect 2.38x9 smd paste+0 mask+0: 1(-3.325,0) 2(3.325,0)
  silkscreen extent -5.92,-5.9 5.25,5.9, body extent -5,-5.65 5,5.65, height 10.01
FUSE_3555-2 [mm]
  round 5.59 hole 4.09: 1_1(-14.685,0) 1_2(-6.355,0) 2_1(6.345,0) 2_2(14.675,0)
  silkscreen extent -17.91,-3.59 17.91,2.25, body extent -17.91,-11.51 17.91,-5.67, height 12.97
INF-PG-TO252-3-11_A_L [mm] "DPAK, 3-Leads, Body 6.57x6.1mm, Pitch 2.29mm, IPC High Density"
  rect 1.7x0.95 smd: 1(-4.6,2.29) 3(-4.6,-2.29)
  rect 6.8x5.5 smd: 2(2,0)
  silkscreen extent -4.72,-3.35 -1.8,3.44, body extent -2.2,-3.37 4.02,3.37, height 2.41
Infineon_IPT015N10N5_0 [mm]
  rect 0.8x2.8 smd paste-1000 mask+0: 1(-4.2,-5.25)
  rect 0.8x2 smd paste-1000 mask+0: 2-8(-3,-5.65) 2-8(-1.8,-5.65) 2-8(-0.6,-5.65) 2-8(0.6,-5.65) 2-8(1.8,-5.65) 2-8(3,-5.65) 2-8(4.2,-5.65)
  rect 8x0.8 smd paste-1000 mask+0: 2-8(0.6,-4.25)
  rect 10.1x1.4 smd paste-1000 mask+0: Tab(0,5.95)
  rect 8.7x2.9 smd paste-1000 mask+0: Tab(0,3.8)
  rect 9.7x3.7 smd paste-1000 mask+0: Tab(0,0.5)
  silkscreen extent -5.43,-7.33 5.43,5.22, body extent -5.15,-6.75 5.15,6.75, height 0.25
KSTN-3557-2 [mm] "Fuse Holder, PCB Mount, Thru-Hole, Body 19.8x6.8mm, Height 7.4mm"
  round 2.15 hole 1.8: 1(-6.75,1.7) 2(-6.75,-1.7) 3(6.75,1.7) 4(6.75,-1.7)
  silkscreen extent -9.9,-3.4 9.9,4.12, body extent -9.91,-3.37 9.91,3.37, height 7.74
LT-MS-16_M [mm] "SOP, 16-Leads, Body 4.1x3.1mm, Pitch 0.5mm, IPC Low Density"
  oval 1.95x0.3 smd: 1(-2.125,1.75) 2(-2.125,1.25) 3(-2.125,0.75) 4(-2.125,0.25) 5(-2.125,-0.25) 6(-2.125,-0.75) 7(-2.125,-1.25) 8(-2.125,-1.75) 9(2.125,-1.75) 10(2.125,-1.25) 11(2.125,-0.75) 12(2.125,-0.25) 13(2.125,0.25) 14(2.125,0.75) 15(2.125,1.25) 16(2.125,1.75)
  silkscreen extent -2.25,-2.08 0.75,2.57, body extent -1.55,-2.05 1.55,2.05, height 1.1
MOLEX_2PIN [mil]
  rect 60x60 / inner round 60 / far side round 60 hole 35: 1(-98.43,0)
  round 60 hole 35: 2(0,0)
  silkscreen extent -197,-122 98,71, body extent -196,-123 95,70, height 233
ONSC-SMB-2-403A-03_H_V [mm] "Molded, 2-Leads, Body 4.6x3.95mm"
  rect 2.159x2.743 smd: 1(-2.21,0) 2(2.21,0)
  silkscreen extent -3.16,-2 2.3,2.05, body extent -2.3,-1.97 2.3,1.97, height 2.42
ONSC-SOD-523-2-502-01_V [mm] "SOD, 2-Leads, Body 1.2x0.8mm"
  rect 0.48x0.4 smd: 1(-0.66,0) 2(0.66,0)
  silkscreen extent -0.75,-0.4 0.07,0.65, body extent -0.6,-0.4 0.6,0.4, height 0.7
PG-HSOF-8-1_INF [mil]
  rect 35x91 smd paste+0 mask+0: 1(-165.35,-196.5) 2(-118.11,-196.5) 3(-70.87,-196.5) 4(-23.62,-196.5) 5(23.62,-196.5) 6(70.87,-196.5) 7(118.11,-196.5) 8(165.35,-196.5)
  rect 392x294 smd paste+0 mask+0: 9(0,101)
  Top Layer region: -135.61,-183 -135.61,-151 182.85,-151 182.85,-183
  silkscreen extent -204,-214 204,328
RGY0020B [mm]
  rect 0.25x0.6 smd paste+0 mask+0: 1(-0.75,2.15) 10(-0.75,-2.15) 11(0.75,-2.15) 20(0.75,2.15)
  rect 0.6x0.25 smd paste+0 mask+0: 2(-1.65,1.75) 3(-1.65,1.25) 4(-1.65,0.75) 5(-1.65,0.25) 6(-1.65,-0.25) 7(-1.65,-0.75) 8(-1.65,-1.25) 9(-1.65,-1.75) 12(1.65,-1.75) 13(1.65,-1.25) 14(1.65,-0.75) 15(1.65,-0.25) 16(1.65,0.25) 17(1.65,0.75) 18(1.65,1.25) 19(1.65,1.75)
  rect 1.7x2.7 smd paste-1.337 mask+0: 21(0,0)
  round 0.5 hole 0.203 paste-2539.97 mask+0: V(-0.6,0) V(0,-1.1) V(0,1.1) V(0.6,0)
  silkscreen extent -1.95,-2.45 1.95,2.45
SMD_0603 [mm] "SMD 0603 SIZE"
  rect 0.9x0.95 smd: 1(-0.75,0) 2(0.75,0)
  body extent -0.85,-0.48 0.85,0.48, height 0.55
SMD_2512 [mm] "SMD 2512 SIZE"
  rect 1.35x3.4 smd: 1(-2.925,0) 2(2.925,0)
  silkscreen extent -1.85,-1.6 1.85,1.6, body extent -3.25,-1.7 3.25,1.7, height 0.7
SMD_Capacitor_tantal [mm] "Molded Capacitor, 2-Leads, Body 3.20x1.65mm, IPC Medium Density"
  rect 1.05x1.3 smd: 1(-1.675,0) 2(1.675,0)
  silkscreen extent -1.7,-0.9 1.7,0.9, body extent -1.7,-0.9 1.7,0.9, height 1.8
SMD_LED [mm] "Chip Light Emitting Diode, 2-Leads, Body 1.60x0.80mm, IPC Medium Density"
  rect 1.1x1.4 smd: 1(-0.9,0) 2(0.9,0)
  silkscreen extent -1.6,-0.86 1.6,0.86, body extent -0.8,-0.38 0.8,0.42, height 0.81
SMD_Resistor [mm] "Chip Resistor, 2-Leads, Body 2.00x1.25mm, IPC Medium Density"
  rect 1.1x1.4 smd: 1(-0.9,0) 2(0.9,0)
  silkscreen extent -1.6,-0.86 1.6,0.86, body extent -1.1,-0.7 1.1,0.7, height 0.65
SODFL3616X135N [mm]
  rect 0.74x1.07 smd: 1(-1.775,0) 2(1.775,0)
  silkscreen extent -2.14,-0.82 1.41,0.82, body extent -1.8,-0.8 1.8,0.8, height 1.2
SOP50P490X110-20N [mm]
  rect 1.425x0.3 smd: 1(-2.212,2.25) 2(-2.212,1.75) 3(-2.212,1.25) 4(-2.212,0.75) 5(-2.212,0.25) 6(-2.212,-0.25) 7(-2.212,-0.75) 8(-2.212,-1.25) 9(-2.212,-1.75) 10(-2.212,-2.25) 11(2.212,-2.25) 12(2.212,-1.75) 13(2.212,-1.25) 14(2.212,-0.75) 15(2.212,-0.25) 16(2.212,0.25) 17(2.212,0.75) 18(2.212,1.25) 19(2.212,1.75) 20(2.212,2.25)
  silkscreen extent -2.93,-2.55 1.15,2.75, body extent -2.45,-2.55 2.45,2.55, height 1.1
XT60PW-M [mm]
  rect 3.716x3.716 / inner round 3.716 / far side rect 3.716x3.716 hole 2.7: 1(3.6,-6)
  round 3.716 hole 2.7: 2(-3.6,-6)
  oval 1.2x2.4 hole 0.6 square: S1(6.75,0) S2(-6.75,0)
  silkscreen extent -7.75,-11.43 7.75,10.35, body extent -7.75,-7.85 7.75,10.35, height 8.4